# Altium PCB PCB_ESP_Dent.PcbDoc (part 1 of 2) (continued)
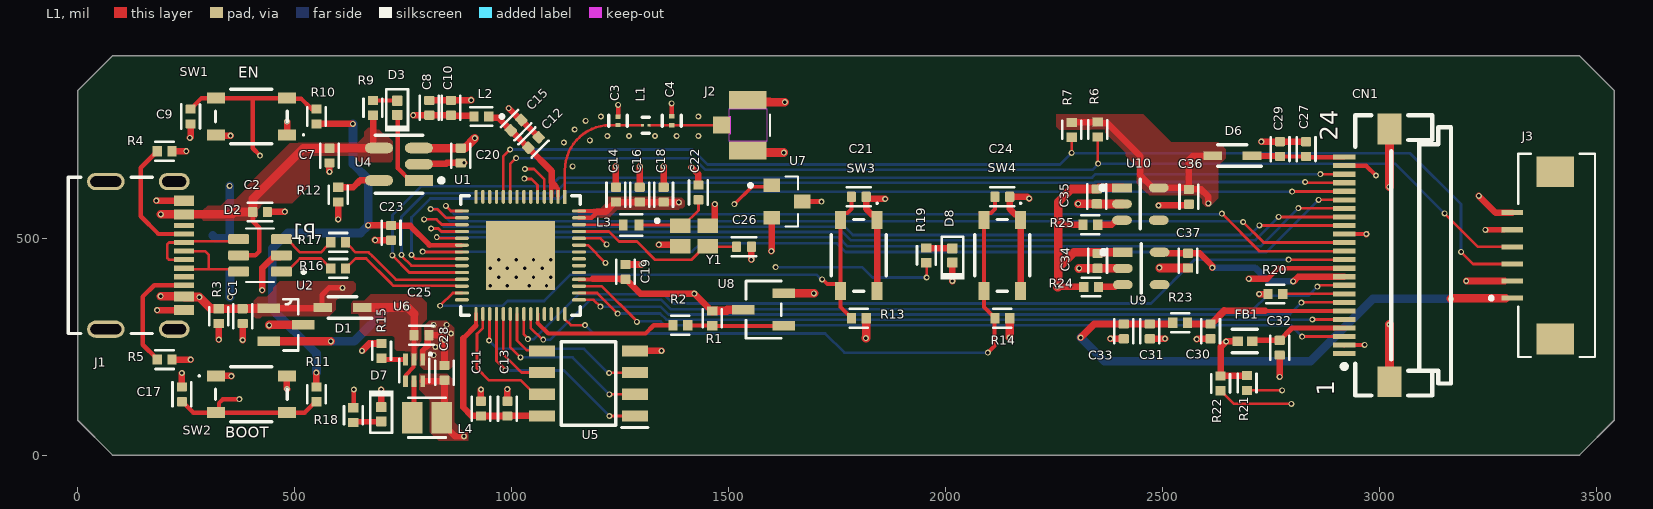
[diagram p0: L1 view]
## Part data (continued)
L1: library part CMP-06042-004543-1, "Film type RF Inductor 2.3nH ±0.1nH 600mA 0.12Ω 0201 (0603)", Case Code (Imperial)=0201, Case Code (Metric)=0603, Current Rating=600mA, DC Resistance (DCR)=120mR, Inductance=2.3nH, LCSC Part No.=C2975186, Max Operating Temperature=125°C, Min Operating Temperature=-55°C, Resistor Type="Thin Film", Self Resonant Frequency=9GHz, Test Frequency=500MHz, Case/Package=0201, Core Material=Non-Magnetic, Mount="Surface Mount", Packaging="Cut Tape", Shielding=Unshielded
L2: "Inductor RF Chip Multi-Layer 2nH 0.3nH 100MHz 8Q-Factor Air 300mA 100mOhm DCR 0402 Paper T/R", Case Code (Imperial)=0402, Case Code (Metric)=1005, Current=300mA, Current Rating=900mA, DC Resistance (DCR)=90mΩ, LCSC Part No.=C18216, Manufacturer=Murata, Manufacturer Lifecycle Status="IN PRODUCTION", Max Operating Temperature=125°C, Min Operating Temperature=-55°C, Self Resonant Frequency=6GHz, Supplier Part Number=490-6569-1-ND, Test Frequency=100MHz, Tolerance=15%, Case/Package=0402, Category="Fixed Inductors", ComponentLink1Description=https://datasheet.octopart.com:443/LQG15HS2N0S02D-Murata-datasheet-11550074.pdf?src-supplier=Upverter, ComponentLink1URL=https://datasheet.octopart.com:443/LQG15HS2N0S02D-Murata-datasheet-11550074.pdf?src-supplier=Upverter, ComponentLink2Description=https://datasheet.octopart.com:443/LQG15HS2N0S02D-Murata-datasheet-501917.pdf?src-supplier=Upverter, ComponentLink2URL=https://datasheet.octopart.com:443/LQG15HS2N0S02D-Murata-datasheet-501917.pdf?src-supplier=Upverter, ComponentLink3Description=https://datasheet.octopart.com:443/LQG15HS2N0S02D-Murata-datasheet-104420594.pdf?src-supplier=element14+APAC, ComponentLink3URL=https://datasheet.octopart.com:443/LQG15HS2N0S02D-Murata-datasheet-104420594.pdf?src-supplier=element14+APAC, ComponentLink4Description=https://datasheet.octopart.com:443/LQG15HS2N0S02D-Murata-datasheet-166148638.pdf?src-supplier=TME, ComponentLink4URL=https://datasheet.octopart.com:443/LQG15HS2N0S02D-Murata-datasheet-166148638.pdf?src-supplier=TME, ComponentLink5Description=https://datasheet.octopart.com:443/LQG15HS2N0S02D-Murata-datasheet-140712221.pdf?src-supplier=Ciiva, ComponentLink5URL=https://datasheet.octopart.com:443/LQG15HS2N0S02D-Murata-datasheet-140712221.pdf?src-supplier=Ciiva, ComponentLink6Description=https://datasheet.octopart.com:443/LQG15HS2N0S02D-Murata-datasheet-138753340.pdf?src-supplier=Ciiva, ComponentLink6URL=https://datasheet.octopart.com:443/LQG15HS2N0S02D-Murata-datasheet-138753340.pdf?src-supplier=Ciiva, ComponentLink7Description=https://datasheet.octopart.com:443/LQG15HS2N0S02D-Murata-datasheet-142295944.pdf?src-supplier=Arrow.cn, ComponentLink7URL=https://datasheet.octopart.com:443/LQG15HS2N0S02D-Murata-datasheet-142295944.pdf?src-supplier=Arrow.cn, ComponentLink8Description=https://datasheet.octopart.com:443/LQG15HS2N0S02D-Murata-datasheet-145449626.pdf?src-supplier=Geoflip, ComponentLink8URL=https://datasheet.octopart.com:443/LQG15HS2N0S02D-Murata-datasheet-145449626.pdf?src-supplier=Geoflip, ComponentLink9Description=https://datasheet.octopart.com/LQG15HS2N0S02D-Murata-datasheet-14395927.pdf, ComponentLink9URL=https://datasheet.octopart.com/LQG15HS2N0S02D-Murata-datasheet-14395927.pdf, ComponentLink10Description=https://datasheet.octopart.com:443/LQG15HS2N0S02D-Murata-datasheet-44660258.pdf?src-supplier=Future+Electronics, ComponentLink10URL=https://datasheet.octopart.com:443/LQG15HS2N0S02D-Murata-datasheet-44660258.pdf?src-supplier=Future+Electronics, ComponentLink11Description=http://sigma.octopart.com:80/reach_statement/Murata-company-16.pdf?src-supplier=Compliance+Statements, ComponentLink11URL=http://sigma.octopart.com:80/reach_statement/Murata-company-16.pdf?src-supplier=Compliance+Statements, Core Material=Air, DC Current=300mA, Depth=550µm, ESR=90mΩ, Height=500µm, Height - Seated (Max)=558.8µm, Lead Free="Contains Lead", Length=1mm, Lifecycle Status=Production, Manufacturer Part Number=LQG15HS2N0S02D, Max Current Rating=900mA, Max DC Current=300mA, Military Standard=Not, Number of Circuits=1, Number of Terminals=2, Pins=2, Pricing="1=0.1, 10=0.036, 100=0.0298, 1000=0.02454, 5000=0.0214 (USD)", Q Factor=8, Radiation Hardening=No, REACH SVHC=Yes, RMS Current (Irms)=900mA, RoHS=Compliant, Schedule B="8504500000, 8504500000|8504500000|8504500000|8504500000|8504500000", Shielding=No, Stock=58770, Supplier=DigiKey, Termination=SMD/SMT, Width=500µm
L3: "FIXED IND 24NH 280MA 0.52OHM SMD", Case/Size Code=0402, DC Resistance (DCR)=520mR, Inductance-Nom (L)=0.024uH, Inductor Application="RF INDUCTOR", Inductor Type="GENERAL PURPOSE INDUCTOR", LCSC Part No.=C341784, Manufacturer=Murata, Manufacturer Part Number=LQW15AN24NJ00D, Max Current Rating=280mA, Max Operating Temperature=125°C, Min Operating Temperature=-55°C, Package Height=0.5mm, Package Length=1mm, Package Style=SMTMeter, Self Resonant Frequency=3.5GHz, Supplier Part Number=490-6791-1-ND, Test Frequency=100MHz, Tolerance=5%, Category="Fixed Inductors", Channels=1, ComponentLink1Description=https://datasheet.ciiva.com:443/pdfs/VipMasterIC/IC/MURE/MURE-S-A0004305562/MURE-S-A0004305562-1.pdf?src-supplier=IHS+Markit, ComponentLink1URL=https://datasheet.ciiva.com:443/pdfs/VipMasterIC/IC/MURE/MURE-S-A0004305562/MURE-S-A0004305562-1.pdf?src-supplier=IHS+Markit, ComponentLink2Description=https://datasheet.ciiva.com/30489/0900766b8125623e-30489009.pdf?src-supplier=Rs, ComponentLink2URL=https://datasheet.ciiva.com/30489/0900766b8125623e-30489009.pdf?src-supplier=Rs, ComponentLink3Description=https://datasheet.ciiva.com/6709/l0075s0080lqw15a-00-6709996.pdf?src-supplier=Digikey, ComponentLink3URL=https://datasheet.ciiva.com/6709/l0075s0080lqw15a-00-6709996.pdf?src-supplier=Digikey, ComponentLink4Description=https://datasheet.ciiva.com/6709/l0075s0080lqw15a-00-6709997.pdf?src-supplier=Digikey, ComponentLink4URL=https://datasheet.ciiva.com/6709/l0075s0080lqw15a-00-6709997.pdf?src-supplier=Digikey, ComponentLink5Description=https://datasheet.ciiva.com/6709/l0075s0080lqw15a-00-6709998.pdf?src-supplier=Digikey, ComponentLink5URL=https://datasheet.ciiva.com/6709/l0075s0080lqw15a-00-6709998.pdf?src-supplier=Digikey, Construction="Wirewound Chip", Core Material=Alumina, JESD-609 Code=e3, Package Width=0.5mm, Packaging="Tape and Reel", Pins=2, Pricing="1=0.1, 10=0.086, 100=0.071, 1000=0.0584, 5000=0.05094 (USD)", Quality Factor-Min (at L-nom)=25, Reach SVHC Compliant=Yes, RoHS=Yes, RoHS Compliant=Yes, Shape/Size Description="RECTANGULAR PACKAGE", Shielding=Unshielded, Stock=37965, Supplier=Digikey, Surface Mount=Yes, Terminal Finish=Nickel, Terminal Placement="Dual Ended", Termination="One Surface"
L4: "1 µH Shielded Drum Core, Wirewound Inductor 3.1 A 70mOhm Max 0806 (2016 Metric)", DC Resistance (DCR)=70mR, Inductor Type="GENERAL PURPOSE INDUCTOR", LCSC Part No.=C882953, Manufacturer=Murata, Manufacturer Part Number=DFE201610P-1R0M=P2, Max Current Rating=2.2A, Max Operating Temperature=125°C, Min Operating Temperature=-40°C, Supplier Part Number=490-10607-1-ND, Test Frequency=1MHz, Tolerance=20%, Category="Fixed Inductors", Channels=1, ComponentLink1Description=https://psearch.en.murata.com:443/inductor/product/DFE201610P-1R0M_.pdf?src-supplier=IHS+Markit, ComponentLink1URL=https://psearch.en.murata.com:443/inductor/product/DFE201610P-1R0M_.pdf?src-supplier=IHS+Markit, ComponentLink2Description=http://www.farnell.com/datasheets/2550117.pdf?src-supplier=Farnell, ComponentLink2URL=http://www.farnell.com/datasheets/2550117.pdf?src-supplier=Farnell, ComponentLink3Description=https://www.murata.com/~/media/webrenewal/products/inductor/chip/tokoproducts/wirewoundmetalalloychiptype/m_dfe201610p.ashx?src-supplier=Digikey, ComponentLink3URL=https://www.murata.com/~/media/webrenewal/products/inductor/chip/tokoproducts/wirewoundmetalalloychiptype/m_dfe201610p.ashx?src-supplier=Digikey, ComponentLink4Description=http://www.murata.com/~/media/webrenewal/products/inductor/chip/tokoproducts/wirewoundmetalalloychiptype/m_dfe201610p.ashx?src-supplier=Digikey, ComponentLink4URL=http://www.murata.com/~/media/webrenewal/products/inductor/chip/tokoproducts/wirewoundmetalalloychiptype/m_dfe201610p.ashx?src-supplier=Digikey, ComponentLink5Description=http://www.toko.co.jp/products/pdf/inductors/dfe201610p.pdf?src-supplier=Avnet, ComponentLink5URL=http://www.toko.co.jp/products/pdf/inductors/dfe201610p.pdf?src-supplier=Avnet, ComponentLink6Description=https://datasheet.octopart.com/DFE201610P-1R0M%3DP2-Murata-datasheet-62290036.pdf?src-supplier=Element14, ComponentLink6URL=https://datasheet.octopart.com/DFE201610P-1R0M%3DP2-Murata-datasheet-62290036.pdf?src-supplier=Element14, Core Material=Metal, Inductance-Nom (L)=1uH, Pins=2, Pricing="1=0.21, 10=0.177, 100=0.1454, 1000=0.11957 (USD)", Reach SVHC Compliant=Yes, RoHS=Yes, RoHS Compliant=Yes, Shape/Size Description="RECTANGULAR PACKAGE", Shielding=Shielded, Stock=1407, Supplier=Digikey, Surface Mount=Yes, Terminal Placement="Dual Ended", Termination=Wraparound
P1: "Header S2B-PH-SM4-TB, 2.00mm, 2-contacts, side entry, SMT, /1000/reel", LCSC Part No.=C295747, Manufacturer=JST, Supplier Part Number=455-S2B-PH-SM4-TBCT-ND, Manufacturer Part Number=S2B-PH-SM4-TB, Pricing="1=0.48, 10=0.409, 100=0.3477, 500=0.31032 (USD)", RoHS=Yes, Stock=12093, Supplier=Digikey
R1 R3: "RES 100K OHM 1% 1/16W 0402", Case/Package=0402, LCSC Part No.=C60491, Manufacturer=Yageo, Manufacturer Part Number=RC0402FR-07100KL, Max Operating Temperature=155°C, Min Operating Temperature=-55°C, Package Height=0.35mm, Package Length=1mm, Package Shape=Rectangular, Package Width=0.5mm, Power=62.5mW, Rated Temperature=70°C, Resistor Type="FIXED RESISTOR", Supplier Part Number=311-100KLRCT-ND, Temperature Coefficient (ppm/Cel)=100, Tolerance=1%, Working Voltage=50V, Additional Feature="LASER TRIMMABLE", Category="Chip SMD Resistors", ComponentLink1Description=https://datasheet.ciiva.com:443/pdfs/VipMasterIC/IC/YAGO/YAGO-S-A0008145938/YAGO-S-A0008145938-1.pdf?src-supplier=IHS+Markit, ComponentLink1URL=https://datasheet.ciiva.com:443/pdfs/VipMasterIC/IC/YAGO/YAGO-S-A0008145938/YAGO-S-A0008145938-1.pdf?src-supplier=IHS+Markit, ComponentLink2Description=https://datasheet.ciiva.com/11819/0900766b80c66297-11819452.pdf?src-supplier=Rs, ComponentLink2URL=https://datasheet.ciiva.com/11819/0900766b80c66297-11819452.pdf?src-supplier=Rs, ComponentLink3Description=https://datasheet.ciiva.com/12667/pyu-rc0402-51-rohs-l-6-r-12667930.pdf?src-supplier=Mouser, ComponentLink3URL=https://datasheet.ciiva.com/12667/pyu-rc0402-51-rohs-l-6-r-12667930.pdf?src-supplier=Mouser, ComponentLink4Description=https://datasheet.ciiva.com/15189/getdatasheetpartid-323696-15189334.pdf?src-supplier=Verical, ComponentLink4URL=https://datasheet.ciiva.com/15189/getdatasheetpartid-323696-15189334.pdf?src-supplier=Verical, ComponentLink5Description=https://datasheet.ciiva.com/22747/1018594-22747509.pdf?src-supplier=Element14, ComponentLink5URL=https://datasheet.ciiva.com/22747/1018594-22747509.pdf?src-supplier=Element14, ComponentLink6Description=https://datasheet.ciiva.com/2453/pyu-r-int-thick-7-2453362.pdf?src-supplier=Digikey, ComponentLink6URL=https://datasheet.ciiva.com/2453/pyu-r-int-thick-7-2453362.pdf?src-supplier=Digikey, ComponentLink7Description=https://datasheet.ciiva.com/2453/pyu-r-int-thick-7-2453363.pdf?src-supplier=Digikey, ComponentLink7URL=https://datasheet.ciiva.com/2453/pyu-r-int-thick-7-2453363.pdf?src-supplier=Digikey, ComponentLink8Description=https://datasheet.ciiva.com/2453/pyu-r-int-thick-7-2453361.pdf?src-supplier=Digikey, ComponentLink8URL=https://datasheet.ciiva.com/2453/pyu-r-int-thick-7-2453361.pdf?src-supplier=Digikey, Construction=Chip, JESD-609 Code=e3, Mounting Technology="Surface Mount", Packaging="Tape and Reel", Pins=2, Pricing="1=0.1, 10=0.011, 25=0.01, 50=0.0092, 100=0.0071, 250=0.00308, 10000=0.00204, 20000=0.002, 30000=0.00196, 50000=0.00182, 70000=0.00181 (USD)", Reach SVHC Compliant=Yes, RoHS=Yes, RoHS Compliant=Yes, Supplier=Digikey, Technology="METAL GLAZE/THICK FILM", Terminal Finish=Nickel, Termination=Wraparound
R2: "Fixed Resistor, Metal Glaze/thick Film, 0.0625W, 100000ohm, 50V, 5% +/-Tol, 100ppm/Cel, Surface Mount, 0402", Case/Package=0402, LCSC Part No.=C106234, Manufacturer=Yageo, Manufacturer Part Number=RC0402JR-07100KL, Max Operating Temperature=155°C, Min Operating Temperature=-55°C, Package Height=0.35mm, Package Length=1mm, Package Shape=Rectangular, Package Width=0.5mm, Power=62.5mW, Rated Temperature=70°C, Resistor Type="FIXED RESISTOR", Supplier Part Number=311-100KJRCT-ND, Temperature Coefficient (ppm/Cel)=100, Tolerance=5%, Working Voltage=50V, Additional Feature="LASER TRIMMABLE", Category="Chip SMD Resistors", ComponentLink1Description=https://datasheet.ciiva.com:443/pdfs/VipMasterIC/IC/YAGO/YAGO-S-A0008145938/YAGO-S-A0008145938-1.pdf?src-supplier=IHS+Markit, ComponentLink1URL=https://datasheet.ciiva.com:443/pdfs/VipMasterIC/IC/YAGO/YAGO-S-A0008145938/YAGO-S-A0008145938-1.pdf?src-supplier=IHS+Markit, ComponentLink2Description=https://datasheet.ciiva.com/12668/pyu-rc0402-51-rohs-l-6-r-12668218.pdf?src-supplier=Mouser, ComponentLink2URL=https://datasheet.ciiva.com/12668/pyu-rc0402-51-rohs-l-6-r-12668218.pdf?src-supplier=Mouser, ComponentLink3Description=https://datasheet.ciiva.com/7850/1018594-7850133.pdf?src-supplier=Element14, ComponentLink3URL=https://datasheet.ciiva.com/7850/1018594-7850133.pdf?src-supplier=Element14, ComponentLink4Description=https://datasheet.ciiva.com/17052/pyu-rc0402-51-rohs-l-6-r-17052137.pdf?src-supplier=Future+Electronics, ComponentLink4URL=https://datasheet.ciiva.com/17052/pyu-rc0402-51-rohs-l-6-r-17052137.pdf?src-supplier=Future+Electronics, ComponentLink5Description=https://datasheet.ciiva.com/46394/1018594-46394941.pdf?src-supplier=Element14, ComponentLink5URL=https://datasheet.ciiva.com/46394/1018594-46394941.pdf?src-supplier=Element14, ComponentLink6Description=https://datasheet.ciiva.com/2491/pyu-r-int-thick-7-2491208.pdf?src-supplier=Digikey, ComponentLink6URL=https://datasheet.ciiva.com/2491/pyu-r-int-thick-7-2491208.pdf?src-supplier=Digikey, ComponentLink7Description=https://datasheet.ciiva.com/2491/pyu-r-int-thick-7-2491209.pdf?src-supplier=Digikey, ComponentLink7URL=https://datasheet.ciiva.com/2491/pyu-r-int-thick-7-2491209.pdf?src-supplier=Digikey, ComponentLink8Description=https://datasheet.ciiva.com/2491/pyu-r-int-thick-7-2491207.pdf?src-supplier=Digikey, ComponentLink8URL=https://datasheet.ciiva.com/2491/pyu-r-int-thick-7-2491207.pdf?src-supplier=Digikey, Construction=Chip, JESD-609 Code=e3, Mounting Technology="Surface Mount", Packaging="Tape and Reel", Pins=2, Pricing="1=0.1, 10=0.006, 25=0.0056, 50=0.005, 100=0.0042, 250=0.00284, 10000=0.00204, 20000=0.00202, 50000=0.00187, 70000=0.00178, 100000=0.00169, 120000=0.00166, 240000=0.00153, 250000=0.00152 (USD)", Reach SVHC Compliant=Yes, RoHS=Yes, RoHS Compliant=Yes, Stock=4938369, Supplier=Digikey, Technology="METAL GLAZE/THICK FILM", Terminal Finish=Nickel, Termination=Wraparound
R4 R5: "Fixed Resistor, Metal Glaze/thick Film, 0.0625W, 5100ohm, 50V, 1% +/-Tol, 100ppm/Cel, Surface Mount, 0402", Case/Package=0402, LCSC Part No.=C3710326, Manufacturer=Yageo, Manufacturer Part Number=RC0402FR-075K1L, Max Operating Temperature=155°C, Min Operating Temperature=-55°C, Package Height=0.35mm, Package Length=1mm, Package Shape=Rectangular, Package Width=0.5mm, Power=62.5mW, Rated Temperature=70°C, Resistor Type="FIXED RESISTOR", Supplier Part Number=311-5.10KLRCT-ND, Temperature Coefficient (ppm/Cel)=100, Tolerance=1%, Working Voltage=50V, Additional Feature="LASER TRIMMABLE", Category="Chip SMD Resistors", ComponentLink1Description=https://datasheet.ciiva.com:443/pdfs/VipMasterIC/IC/YAGO/YAGO-S-A0008145938/YAGO-S-A0008145938-1.pdf?src-supplier=IHS+Markit, ComponentLink1URL=https://datasheet.ciiva.com:443/pdfs/VipMasterIC/IC/YAGO/YAGO-S-A0008145938/YAGO-S-A0008145938-1.pdf?src-supplier=IHS+Markit, Construction=Chip, JESD-609 Code=e3, Mounting Technology="Surface Mount", Packaging="Tape and Reel", Pins=2, Pricing="1=0.1, 10=0.008, 25=0.0072, 50=0.0062, 100=0.0056, 250=0.00308, 1000=0.0051, 2500=0.00408, 10000=0.00204, 20000=0.002, 30000=0.00196, 50000=0.00182, 70000=0.00181 (USD)", Reach SVHC Compliant=Yes, RoHS=Yes, RoHS Compliant=Yes, Stock=654253, Supplier=Digikey, Technology="METAL GLAZE/THICK FILM", Terminal Finish=Nickel, Termination=Wraparound
R6 R7 R21 R22: "RES 4.7K OHM 1% 1/16W 0402", Case/Package=0402, LCSC Part No.=C105871, Manufacturer=Yageo, Manufacturer Part Number=RC0402FR-074K7L, Max Operating Temperature=155°C, Min Operating Temperature=-55°C, Package Height=0.35mm, Package Length=1mm, Package Shape=Rectangular, Package Width=0.5mm, Power=62.5mW, Rated Temperature=70°C, Resistor Type="FIXED RESISTOR", Supplier Part Number=311-4.7KLRCT-ND, Temperature Coefficient (ppm/Cel)=100, Tolerance=1%, Working Voltage=50V, Additional Feature="LASER TRIMMABLE", Category="Chip SMD Resistors", ComponentLink1Description=https://datasheet.ciiva.com:443/pdfs/VipMasterIC/IC/YAGO/YAGO-S-A0008145938/YAGO-S-A0008145938-1.pdf?src-supplier=IHS+Markit, ComponentLink1URL=https://datasheet.ciiva.com:443/pdfs/VipMasterIC/IC/YAGO/YAGO-S-A0008145938/YAGO-S-A0008145938-1.pdf?src-supplier=IHS+Markit, ComponentLink2Description=https://datasheet.ciiva.com/22661/1686128-22661342.pdf?src-supplier=Element14, ComponentLink2URL=https://datasheet.ciiva.com/22661/1686128-22661342.pdf?src-supplier=Element14, ComponentLink3Description=https://datasheet.ciiva.com/7850/1018594-7850022.pdf?src-supplier=Element14, ComponentLink3URL=https://datasheet.ciiva.com/7850/1018594-7850022.pdf?src-supplier=Element14, ComponentLink4Description=https://datasheet.ciiva.com/7850/1018594-7850023.pdf?src-supplier=Element14, ComponentLink4URL=https://datasheet.ciiva.com/7850/1018594-7850023.pdf?src-supplier=Element14, ComponentLink5Description=https://datasheet.ciiva.com/15215/getdatasheetpartid-328119-15215035.pdf?src-supplier=Verical, ComponentLink5URL=https://datasheet.ciiva.com/15215/getdatasheetpartid-328119-15215035.pdf?src-supplier=Verical, Construction=Chip, JESD-609 Code=e3, Mounting Technology="Surface Mount", Packaging="Tape and Reel", Pins=2, Pricing="1=0.1, 10=0.02, 25=0.014, 50=0.0112, 100=0.009, 250=0.00688, 500=0.00566, 1000=0.00474, 2500=0.00381, 5000=0.00328, 10000=0.00286, 20000=0.00253, 30000=0.00237, 50000=0.0022, 70000=0.0021, 100000=0.002, 120000=0.00196, 240000=0.00182, 250000=0.00181 (USD)", Reach SVHC Compliant=Yes, RoHS=Yes, RoHS Compliant=Yes, Stock=643889, Supplier=Digikey, Technology="METAL GLAZE/THICK FILM", Terminal Finish=Nickel, Termination=Wraparound
R9 R18 R19: "RES 1K OHM 1% 1/16W 0402", Case/Package=0402, LCSC Part No.=C106235, Manufacturer=Yageo, Manufacturer Part Number=RC0402FR-071KL, Max Operating Temperature=155°C, Min Operating Temperature=-55°C, Package Height=0.35mm, Package Length=1mm, Package Shape=Rectangular, Package Width=0.5mm, Power=62.5mW, Rated Temperature=70°C, Resistor Type="FIXED RESISTOR", Supplier Part Number=311-1.00KLRCT-ND, Temperature Coefficient (ppm/Cel)=100, Tolerance=1%, Working Voltage=50V, Additional Feature="LASER TRIMMABLE", Category="Chip SMD Resistors", ComponentLink1Description=https://datasheet.ciiva.com:443/pdfs/VipMasterIC/IC/YAGO/YAGO-S-A0008145938/YAGO-S-A0008145938-1.pdf?src-supplier=IHS+Markit, ComponentLink1URL=https://datasheet.ciiva.com:443/pdfs/VipMasterIC/IC/YAGO/YAGO-S-A0008145938/YAGO-S-A0008145938-1.pdf?src-supplier=IHS+Markit, ComponentLink2Description=https://datasheet.ciiva.com/11819/0900766b80c66297-11819477.pdf?src-supplier=Rs, ComponentLink2URL=https://datasheet.ciiva.com/11819/0900766b80c66297-11819477.pdf?src-supplier=Rs, ComponentLink3Description=https://datasheet.ciiva.com/22747/1018594-22747513.pdf?src-supplier=Element14, ComponentLink3URL=https://datasheet.ciiva.com/22747/1018594-22747513.pdf?src-supplier=Element14, ComponentLink4Description=https://datasheet.ciiva.com/12666/pyu-rc0402-51-rohs-l-6-r-12666741.pdf?src-supplier=Mouser, ComponentLink4URL=https://datasheet.ciiva.com/12666/pyu-rc0402-51-rohs-l-6-r-12666741.pdf?src-supplier=Mouser, ComponentLink5Description=https://datasheet.ciiva.com/17063/pyu-rc0402-51-rohs-l-6-r-17063193.pdf?src-supplier=Future+Electronics, ComponentLink5URL=https://datasheet.ciiva.com/17063/pyu-rc0402-51-rohs-l-6-r-17063193.pdf?src-supplier=Future+Electronics, Construction=Chip, JESD-609 Code=e3, Mounting Technology="Surface Mount", Packaging="Tape and Reel", Pins=2, Pricing="1=0.1, 10=0.007, 100=0.0061, 1000=0.0051, 2500=0.00408 (USD)", Reach SVHC Compliant=Yes, RoHS=Yes, RoHS Compliant=Yes, Stock=2395421, Supplier=Digikey, Technology="METAL GLAZE/THICK FILM", Terminal Finish=Nickel, Termination=Wraparound
R10 R11 R13 R14 R20 R23 R24 R25: "Res Thick Film 0402 10K Ohm 5% 0.125W(1/8W) ±200ppm/C Pad SMD T/R", LCSC Part No.=C851859, Manufacturer="Yageo Group", Manufacturer Part Number=RC0402JR-7W10KL, Supplier Part Number=13-RC0402JR-7W10KLCT-ND, Category="Chip SMD Resistors", Pricing="1=0.1, 10=0.008, 25=0.0076, 50=0.0072, 100=0.0061, 250=0.0056, 500=0.0051, 5000=0.00375 (USD)", RoHS=No, Stock=1644, Supplier=Digikey
R12: "RES SMD 2.4K OHM 1% 1/16W 0402", Case/Package=0402, LCSC Part No.=C17345684, Manufacturer=Samsung, Manufacturer Part Number=RC1005F242CS, Max Operating Temperature=125°C, Min Operating Temperature=-55°C, Package Height=0.35mm, Package Length=1mm, Package Shape=Rectangular, Package Width=0.5mm, Power=60mW, Resistor Type="FIXED RESISTOR", Supplier Part Number=1276-4050-1-ND, Temperature Coefficient (ppm/Cel)=100, Tolerance=1%, Working Voltage=50V, Category="Chip SMD Resistors", ComponentLink1Description=https://datasheet.ciiva.com:443/pdfs/VipMasterIC/IC/SEMS/SEMS-S-A0001326806/SEMS-S-A0001326806-1.pdf?src-supplier=IHS+Markit, ComponentLink1URL=https://datasheet.ciiva.com:443/pdfs/VipMasterIC/IC/SEMS/SEMS-S-A0001326806/SEMS-S-A0001326806-1.pdf?src-supplier=IHS+Markit, ComponentLink2Description=https://datasheet.ciiva.com/26184/chip-resistor-150112-1-26184966.pdf?src-supplier=Digikey, ComponentLink2URL=https://datasheet.ciiva.com/26184/chip-resistor-150112-1-26184966.pdf?src-supplier=Digikey, Construction=Chip, JESD-609 Code=e3, Mounting Technology="Surface Mount", Packaging="Tape and Reel", Pins=2, Pricing="1=0.1, 10=0.039 (USD)", Reach SVHC Compliant=Yes, RoHS=Yes, RoHS Compliant=Yes, Stock=32, Supplier=Digikey, Technology="METAL GLAZE/THICK FILM", Terminal Finish=Nickel
R15: "249 kOhms ±1% 0.063W, 1/16W Chip Resistor 0402 (1005 Metric) Moisture Resistant Thick Film", Case/Package=0402, LCSC Part No.=C163476, Manufacturer=Yageo, Manufacturer Part Number=RC0402FR-07249KL, Max Operating Temperature=155°C, Min Operating Temperature=-55°C, Package Height=0.35mm, Package Length=1mm, Package Shape=Rectangular, Package Width=0.5mm, Power=62.5mW, Rated Temperature=70°C, Resistor Type="FIXED RESISTOR", Supplier Part Number=311-249KLRCT-ND, Temperature Coefficient (ppm/Cel)=100, Tolerance=1%, Working Voltage=50V, Additional Feature="LASER TRIMMABLE", Category="Chip SMD Resistors", ComponentLink1Description=https://datasheet.ciiva.com:443/pdfs/VipMasterIC/IC/YAGO/YAGO-S-A0008145938/YAGO-S-A0008145938-1.pdf?src-supplier=IHS+Markit, ComponentLink1URL=https://datasheet.ciiva.com:443/pdfs/VipMasterIC/IC/YAGO/YAGO-S-A0008145938/YAGO-S-A0008145938-1.pdf?src-supplier=IHS+Markit, ComponentLink2Description=https://datasheet.ciiva.com/12656/pyu-rc0402-51-rohs-l-6-r-12656622.pdf?src-supplier=Mouser, ComponentLink2URL=https://datasheet.ciiva.com/12656/pyu-rc0402-51-rohs-l-6-r-12656622.pdf?src-supplier=Mouser, ComponentLink3Description=https://datasheet.ciiva.com/2519/pyu-r-int-thick-7-2519006.pdf?src-supplier=Digikey, ComponentLink3URL=https://datasheet.ciiva.com/2519/pyu-r-int-thick-7-2519006.pdf?src-supplier=Digikey, ComponentLink4Description=https://datasheet.ciiva.com/2519/pyu-r-int-thick-7-2519007.pdf?src-supplier=Digikey, ComponentLink4URL=https://datasheet.ciiva.com/2519/pyu-r-int-thick-7-2519007.pdf?src-supplier=Digikey, ComponentLink5Description=https://datasheet.ciiva.com/2519/pyu-r-int-thick-7-2519008.pdf?src-supplier=Digikey, ComponentLink5URL=https://datasheet.ciiva.com/2519/pyu-r-int-thick-7-2519008.pdf?src-supplier=Digikey, ComponentLink6Description=https://datasheet.ciiva.com/17071/pyu-rc0402-51-rohs-l-6-r-17071292.pdf?src-supplier=Future+Electronics, ComponentLink6URL=https://datasheet.ciiva.com/17071/pyu-rc0402-51-rohs-l-6-r-17071292.pdf?src-supplier=Future+Electronics, ComponentLink7Description=https://datasheet.ciiva.com/8886/pyu-rc0402-51-rohs-l-6-8886568.pdf?src-supplier=Avnet, ComponentLink7URL=https://datasheet.ciiva.com/8886/pyu-rc0402-51-rohs-l-6-8886568.pdf?src-supplier=Avnet, Construction=Chip, JESD-609 Code=e3, Mounting Technology="Surface Mount", Packaging="Tape and Reel", Pins=2, Pricing="1=0.1, 10=0.008, 25=0.006, 50=0.004, 100=0.0033 (USD)", Reach SVHC Compliant=Yes, RoHS=Yes, RoHS Compliant=Yes, Stock=71596, Supplier=Digikey, Technology="METAL GLAZE/THICK FILM", Terminal Finish=Nickel, Termination=Wraparound
R16 R17: "RES 22 OHM 5% 1/8W 0402", Case/Package=0402, LCSC Part No.=C6117700, Manufacturer="Yageo Group", Manufacturer Part Number=AC0402JR-7W22RL, Max Operating Temperature=155°C, Min Operating Temperature=-55°C, Power Dissipation=125mW, Supplier Part Number=13-AC0402JR-7W22RLCT-ND, Temperature Coefficient=100ppm/°C, Tolerance=5%, Voltage Rating=50V, Working Voltage=75V, Category="Chip SMD Resistors", China RoHS=Non-Compliant, ComponentLink1Description=https://datasheet.octopart.com:443/AC0402JR-7W22RL-Yageo-datasheet-182189377.pdf?src-supplier=IHS, ComponentLink1URL=https://datasheet.octopart.com:443/AC0402JR-7W22RL-Yageo-datasheet-182189377.pdf?src-supplier=IHS, ComponentLink2Description=https://datasheet.octopart.com:443/AC0402JR-7W22RL-Yageo-datasheet-83209224.pdf?src-supplier=Upverter, ComponentLink2URL=https://datasheet.octopart.com:443/AC0402JR-7W22RL-Yageo-datasheet-83209224.pdf?src-supplier=Upverter, ComponentLink3Description=https://datasheet.octopart.com:443/AC0402JR-7W22RL-Yageo-datasheet-178509465.pdf?src-supplier=Farnell, ComponentLink3URL=https://datasheet.octopart.com:443/AC0402JR-7W22RL-Yageo-datasheet-178509465.pdf?src-supplier=Farnell, ComponentLink4Description=https://datasheet.octopart.com:443/AC0402JR-7W22RL-Yageo-Group-datasheet-164768995.pdf?src-supplier=ODG+(Origin+Data+Global), ComponentLink4URL=https://datasheet.octopart.com:443/AC0402JR-7W22RL-Yageo-Group-datasheet-164768995.pdf?src-supplier=ODG+(Origin+Data+Global), ComponentLink5Description=https://datasheet.octopart.com/AC0402JR-7W22RL-Yageo-datasheet-12512238.pdf, ComponentLink5URL=https://datasheet.octopart.com/AC0402JR-7W22RL-Yageo-datasheet-12512238.pdf, ComponentLink6Description=http://sigma.octopart.com:80/rohs_statement/Yageo-company-2.pdf?src-supplier=Compliance+Statements, ComponentLink6URL=http://sigma.octopart.com:80/rohs_statement/Yageo-company-2.pdf?src-supplier=Compliance+Statements, ComponentLink7Description=http://sigma.octopart.com:80/conflict_mineral_statement/Yageo-company-3.pdf?src-supplier=Compliance+Statements, ComponentLink7URL=http://sigma.octopart.com:80/conflict_mineral_statement/Yageo-company-3.pdf?src-supplier=Compliance+Statements, Composition="Thick Film", Height=320µm, Lifecycle Status=Production, Mounting Technology="Surface Mount", Number of Terminals=2, Packaging="Tape & Reel", Power Rating=125mW, Pricing="1=0.15, 10=0.014, 25=0.0124, 50=0.0102, 100=0.0092, 250=0.00724, 1000=0.00609, 5000=0.00431 (USD)", REACH SVHC=Yes, RoHS=Compliant, Stock=1738, Supplier=DigiKey, Width=500µm
SW1 SW2 SW3 SW4: "Tactile Switch SPST-NO Top Actuated Surface Mount", Color=Natural, Contact Resistance=500mΩ, Insulation Resistance=100MΩ, LCSC Part No.=C470426, Manufacturer=ALPS, Max Current Rating=50mA, Max Operating Temperature=85°C, Max Voltage Rating (DC)=16V, Min Operating Temperature=-30°C, Operating Force=1.57N, Supplier Part Number=4809-SKRPANE010CT-ND, Category="Tactile Switches", ComponentLink1Description=https://datasheet.octopart.com:443/SKRPANE010-ALPS-datasheet-182235269.pdf?src-supplier=IHS, ComponentLink1URL=https://datasheet.octopart.com:443/SKRPANE010-ALPS-datasheet-182235269.pdf?src-supplier=IHS, ComponentLink2Description=https://datasheet.octopart.com:443/SKRPANE010-ALPS-datasheet-103684837.pdf?src-supplier=Electro+Sonic, ComponentLink2URL=https://datasheet.octopart.com:443/SKRPANE010-ALPS-datasheet-103684837.pdf?src-supplier=Electro+Sonic, Electrical Life=1Mcycles, Height=1.6mm, Length=4.2mm, Lifecycle Status=Production, Manufacturer Part Number=SKRPANE010, Number of Positions=1, Pricing="1=0.27, 10=0.238, 25=0.2232, 50=0.2114, 100=0.2, 250=0.1854, 500=0.17496, 1000=0.16517 (USD)", RoHS=Compliant, Stock=7681, Supplier=DigiKey, Throw Configuration=SPST
U1: "IC RF TXRX+MCU BLE 56QFN", LCSC Part No.=C2913194, Manufacturer="Espressif Systems", Supplier Part Number=1904-ESP32-S3R8CT-ND, Category="RF Receivers, Transceivers", ComponentLink1Description=https://datasheet.octopart.com/ESP32-S3R8-Espressif-Systems-datasheet-188867343.pdf?src-supplier=TME, ComponentLink1URL=https://datasheet.octopart.com/ESP32-S3R8-Espressif-Systems-datasheet-188867343.pdf?src-supplier=TME, Manufacturer Part Number=ESP32-S3R8, Pricing="1=2.3, 2000=2.28001 (USD)", RoHS=No, Stock=792, Supplier=Digikey
U2: "P-Channel 20 V 4A (Ta) 900mW (Ta) Surface Mount SOT-23-3", Drain Current-Max (Abs) (ID)=4A, Drain-source On Resistance-Max=42.5mR, DS Breakdown Voltage-Min=20V, LCSC Part No.=C96616, Manufacturer=Diodes, Max Operating Temperature=150°C, Operating Mode="ENHANCEMENT MODE", Package Body Material=Plastic, Package Shape=Rectangular, Package Style="SMALL OUTLINEMeter", Peak Reflow Temperature (Cel)=260°C, Power Dissipation-Max (Abs)=900mW, Supplier Part Number=DMG3415UDICT-ND, Time @ Peak Reflow Temperature-Max (s)=40s, Additional Feature="HIGH RELIABILITY", Category=MOSFETs, ComponentLink1Description=https://datasheet.ciiva.com:443/pdfs/VipMasterIC/IC/DIOD/DIOD-S-A0004428614/DIOD-S-A0004428614-1.pdf?src-supplier=IHS+Markit, ComponentLink1URL=https://datasheet.ciiva.com:443/pdfs/VipMasterIC/IC/DIOD/DIOD-S-A0004428614/DIOD-S-A0004428614-1.pdf?src-supplier=IHS+Markit, ComponentLink2Description=https://datasheet.ciiva.com/11174/ds31735-11174977.pdf?src-supplier=Avnet, ComponentLink2URL=https://datasheet.ciiva.com/11174/ds31735-11174977.pdf?src-supplier=Avnet, ComponentLink3Description=https://datasheet.ciiva.com/13061/ds31735-64958-13061831.pdf?src-supplier=Mouser, ComponentLink3URL=https://datasheet.ciiva.com/13061/ds31735-64958-13061831.pdf?src-supplier=Mouser, ComponentLink4Description=https://datasheet.ciiva.com/935/ds31735-935013.pdf?src-supplier=Digikey, ComponentLink4URL=https://datasheet.ciiva.com/935/ds31735-935013.pdf?src-supplier=Digikey, ComponentLink5Description=https://datasheet.ciiva.com/935/ds31735-935014.pdf?src-supplier=Digikey, ComponentLink5URL=https://datasheet.ciiva.com/935/ds31735-935014.pdf?src-supplier=Digikey, ComponentLink6Description=https://datasheet.ciiva.com/935/ds31735-935015.pdf?src-supplier=Digikey, ComponentLink6URL=https://datasheet.ciiva.com/935/ds31735-935015.pdf?src-supplier=Digikey, ComponentLink7Description=https://datasheet.ciiva.com/8115/ds31735-8115357.pdf?src-supplier=Avnet, ComponentLink7URL=https://datasheet.ciiva.com/8115/ds31735-8115357.pdf?src-supplier=Avnet, ComponentLink8Description=https://datasheet.ciiva.com/8023/ds31735-8023980.pdf?src-supplier=Element14, ComponentLink8URL=https://datasheet.ciiva.com/8023/ds31735-8023980.pdf?src-supplier=Element14, ComponentLink9Description=https://datasheet.ciiva.com/22712/1915618-22712394.pdf?src-supplier=Element14, ComponentLink9URL=https://datasheet.ciiva.com/22712/1915618-22712394.pdf?src-supplier=Element14, ComponentLink10Description=https://datasheet.ciiva.com/16387/ds31735-16387485.pdf?src-supplier=Future+Electronics, ComponentLink10URL=https://datasheet.ciiva.com/16387/ds31735-16387485.pdf?src-supplier=Future+Electronics, Drain Current-Max (ID)=4A, FET Technology="METAL-OXIDE SEMICONDUCTOR", JESD-30 Code=R-PDSO-G3, JESD-609 Code=e3, Manufacturer Part Number=DMG3415U-7, Moisture Sensitivity Level=1, Number of Elements=1, Pins=3, Polarity/Channel Type=P-CHANNEL, Pricing="1=0.45, 10=0.277, 100=0.1743, 500=0.13838 (USD)", Qualification Status="Not Qualified", Reach SVHC Compliant=Yes, RoHS=Yes, RoHS Compliant=Yes, Stock=10798, Supplier=Digikey, Surface Mount=Yes, Terminal Finish=Tin, Terminal Form="Gull Wing", Terminal Position=DUAL, Transistor Application=SWITCHING, Transistor Element Material=SILICON
U4: "IC BATT CNTL LI-ION 1CEL SOT23-5", Case/Package=LSSOP, LCSC Part No.=C42432883, Manufacturer=Microchip, Max Operating Temperature=85°C, Max Supply Voltage=6V, Min Operating Temperature=-40°C, Min Supply Voltage=3.75V, Nominal Supply Voltage=5.2V, Package Body Material=Plastic, Package Equivalence Code=TSOP5/6,.11,37, Package Shape=Rectangular, Package Style="SMALL OUTLINE, LOW PROFILE, SHRINK PITCHMeter", Peak Reflow Temperature (Cel)=260°C, Power Supplies=3.3/5V, Supplier Part Number=MCP73831T-2ACI/OTCT-ND, Supply Current-Max (Isup)=1.5mA, Temperature Grade=INDUSTRIAL, Time @ Peak Reflow Temperature-Max (s)=40s, Adjustable Threshold=Yes, Category="Battery Management", Channels=1, ComponentLink1Description=https://datasheet.ciiva.com:443/pdfs/VipMasterIC/IC/MCHP/MCHPS05673/MCHPS05673-1.pdf?src-supplier=IHS+Markit, ComponentLink1URL=https://datasheet.ciiva.com:443/pdfs/VipMasterIC/IC/MCHP/MCHPS05673/MCHPS05673-1.pdf?src-supplier=IHS+Markit, ComponentLink2Description=https://datasheet.ciiva.com/22828/0900766b80d2b53a-22828876.pdf?src-supplier=Rs, ComponentLink2URL=https://datasheet.ciiva.com/22828/0900766b80d2b53a-22828876.pdf?src-supplier=Rs, ComponentLink3Description=https://datasheet.ciiva.com/1137/630369-1137803.pdf?src-supplier=Element14, ComponentLink3URL=https://datasheet.ciiva.com/1137/630369-1137803.pdf?src-supplier=Element14, ComponentLink4Description=https://datasheet.ciiva.com/46385/630369-46385324.pdf?src-supplier=Element14, ComponentLink4URL=https://datasheet.ciiva.com/46385/630369-46385324.pdf?src-supplier=Element14, ComponentLink5Description=https://datasheet.ciiva.com/16286/filehandler-aspxddocname-en025112-16286957.pdf?src-supplier=Future+Electronics, ComponentLink5URL=https://datasheet.ciiva.com/16286/filehandler-aspxddocname-en025112-16286957.pdf?src-supplier=Future+Electronics, ComponentLink6Description=https://datasheet.ciiva.com/1931/21984e-1931954.pdf?src-supplier=Digikey, ComponentLink6URL=https://datasheet.ciiva.com/1931/21984e-1931954.pdf?src-supplier=Digikey, ComponentLink7Description=https://datasheet.ciiva.com/1931/21984e-1931955.pdf?src-supplier=Digikey, ComponentLink7URL=https://datasheet.ciiva.com/1931/21984e-1931955.pdf?src-supplier=Digikey, ComponentLink8Description=https://datasheet.ciiva.com/1931/21984e-1931953.pdf?src-supplier=Digikey, ComponentLink8URL=https://datasheet.ciiva.com/1931/21984e-1931953.pdf?src-supplier=Digikey, Height - Seated (Max)=1.45mm, JESD-30 Code=R-PDSO-G5, JESD-609 Code=e3, Length=2.95mm, Manufacturer Part Number=MCP73831T-2ACI/OT, Moisture Sensitivity Level=1, Number of Channels=1, Pins=5, Pricing="1=0.76, 25=0.63, 100=0.6125, 3000=0.5831 (USD)", Qualification Status="Not Qualified", Reach SVHC Compliant=Yes, RoHS=Yes, RoHS Compliant=Yes, Stock=33354, Supplier=Digikey, Surface Mount=Yes, Terminal Finish=Tin, Terminal Form="Gull Wing", Terminal Pitch=0.95mm, Terminal Position=DUAL, Throw Configuration="POWER SUPPLY SUPPORT CIRCUIT", Width=1.65mm
U5: library part GD25Q64ETIGR, "2.7V~3.6V -40℃~85℃ 64MBIT 133MHZ SOP-8-150MIL Nor Flash Rohs", LCSC Part No.=C2976334, Manufacturer=GigaDevice, Max Operating Temperature=85°C, Max Supply Current=25mA, Max Supply Voltage=3.6V, Min Operating Temperature=-40°C, Min Supply Voltage=3V, Operating Supply Voltage=3.3V, Supplier Part Number=1970-GD25Q64ETIGRCT-ND, Category=Flash, Clock Rate=133MHz, ComponentLink1Description=https://datasheet.octopart.com:443/GD25Q64ETIGR-GigaDevice-datasheet-182344543.pdf?src-supplier=IHS, ComponentLink1URL=https://datasheet.octopart.com:443/GD25Q64ETIGR-GigaDevice-datasheet-182344543.pdf?src-supplier=IHS, Height - Seated (Max)=1.75mm, Interface=Serial, Length=4.9mm, Manufacturer Part Number=GD25Q64ETIGR, Memory Format=FLASH, Number of Circuits=1, Number of Terminals=8, Pricing="1=1.05, 10=0.985, 25=0.958, 50=0.9372, 100=0.9161, 250=0.8882, 500=0.8671, 1000=0.8461 (USD)", RoHS=Compliant, Stock=3294, Supplier=DigiKey, Terminal Pitch=1.27mm, Width=3.9mm
U6: library part TPS628438DRLR, "Buck Switching Regulator IC Positive Programmable 1.8V 1 Output 600mA SOT-563, SOT-666", LCSC Part No.=C38060243, Manufacturer="Texas Instruments", Supplier Part Number=296-TPS628438DRLRCT-ND, Category=LDO, Manufacturer Part Number=TPS628438DRLR, Pricing="1=1.55, 10=1.13, 25=1.026, 100=0.9116, 250=0.857, 500=0.82408, 1000=0.79698 (USD)", RoHS=No, Stock=2001, Supplier=Digikey
U7: "MOSFET N-CH 30V 5A MICRO3/SOT23", Case/Package=SOT-23, Continuous Drain Current (ID)=5A, Drain to Source Breakdown Voltage=30V, Drain to Source Resistance=29mΩ, Gate to Source Voltage (Vgs)=12V, Input Capacitance=650pF, LCSC Part No.=C53550, Manufacturer=Infineon, Manufacturer Package Identifier=Micro3, Max Junction Temperature (Tj)=150°C, Max Power Dissipation=1.3W, Min Operating Temperature=-55°C, Package Quantity=3000, Supplier Part Number=IRLML6344TRPBFCT-ND, Threshold Voltage=800mV, Category=MOSFETs, ComponentLink1Description=https://datasheet.octopart.com:443/IRLML6344TRPBF-Infineon-datasheet-166549069.pdf?src-supplier=IHS, ComponentLink1URL=https://datasheet.octopart.com:443/IRLML6344TRPBF-Infineon-datasheet-166549069.pdf?src-supplier=IHS, ComponentLink2Description=https://datasheet.octopart.com:443/IRLML6344TRPBF-Infineon-datasheet-41230536.pdf?src-supplier=element14+APAC, ComponentLink2URL=https://datasheet.octopart.com:443/IRLML6344TRPBF-Infineon-datasheet-41230536.pdf?src-supplier=element14+APAC, ComponentLink3Description=https://datasheet.octopart.com:443/IRLML6344TRPBF-Infineon-datasheet-10031181.pdf?src-supplier=Farnell, ComponentLink3URL=https://datasheet.octopart.com:443/IRLML6344TRPBF-Infineon-datasheet-10031181.pdf?src-supplier=Farnell, ComponentLink4Description=https://sigma.octopart.com:443/138896058/technical_drawing/Infineon-IRLML6344TRPBF.pdf?src-supplier=Upverter, ComponentLink4URL=https://sigma.octopart.com:443/138896058/technical_drawing/Infineon-IRLML6344TRPBF.pdf?src-supplier=Upverter, ComponentLink5Description=https://datasheet.octopart.com:443/IRLML6344TRPBF-International-Rectifier-datasheet-14062076.pdf?src-supplier=iiiC, ComponentLink5URL=https://datasheet.octopart.com:443/IRLML6344TRPBF-International-Rectifier-datasheet-14062076.pdf?src-supplier=iiiC, ComponentLink6Description=http://sigma.octopart.com:80/conflict_mineral_statement/Infineon-company-51.pdf?src-supplier=Compliance+Statements, ComponentLink6URL=http://sigma.octopart.com:80/conflict_mineral_statement/Infineon-company-51.pdf?src-supplier=Compliance+Statements, ComponentLink7Description=http://sigma.octopart.com:80/rohs_statement/International-Rectifier-company-54.pdf?src-supplier=Compliance+Statements, ComponentLink7URL=http://sigma.octopart.com:80/rohs_statement/International-Rectifier-company-54.pdf?src-supplier=Compliance+Statements, ComponentLink8Description=http://sigma.octopart.com:80/reach_statement/International-Rectifier-company-55.pdf?src-supplier=Compliance+Statements, ComponentLink8URL=http://sigma.octopart.com:80/reach_statement/International-Rectifier-company-55.pdf?src-supplier=Compliance+Statements, Drain to Source Voltage (Vdss)=30V, Element Configuration=Single, Fall Time=9.1ns, Height=1.12mm, Lead Free="Lead Free", Length=3.04mm, Lifecycle Status=Production, Manufacturer Part Number=IRLML6344TRPBF, Max Operating Temperature=150°C, Min Breakdown Voltage=30V, Mounting Technology="Surface Mount", Nominal Vgs=800mV, Number of Channels=1, Number of Elements=1, Number of Terminals=3, On-State Resistance=29mΩ, Packaging="Tape & Reel", Pins=3, Power Dissipation=1.3W, Pricing="1=0.38, 10=0.249, 100=0.1612, 500=0.1424, 1000=0.12703 (USD)", Radiation Hardening=No, Rds On Max=29mΩ, REACH SVHC=Yes, Recovery Time=15ns, Rise Time=5.6ns, RoHS=Compliant, Schedule B="8541290080, 8541290080|8541290080|8541290080|8541290080|8541290080", Stock=89780, Supplier=DigiKey, Turn-Off Delay Time=22ns, Turn-On Delay Time=4.2ns, Width=1.4mm
U8: "30V 4.3A 48mΩ@10V 2.5V@250uA 1 P-Channel SOT-23 MOSFETs ROHS", Drain Current-Max (Abs) (ID)=4.3A, Drain-source On Resistance-Max=48mR, DS Breakdown Voltage-Min=30V, LCSC Part No.=C15155, Manufacturer="Alpha & Omega Semiconductor", Max Operating Temperature=150°C, Operating Mode="ENHANCEMENT MODE", Package Body Material=Plastic, Package Shape=Rectangular, Package Style="SMALL OUTLINEMeter", Power Dissipation-Max (Abs)=1.4W, Supplier Part Number=785-1006-1-ND, Category=MOSFETs, ComponentLink1Description=https://datasheet.ciiva.com:443/pdfs/VipMasterIC/IC/ALOM/ALOMS01464/ALOMS01464-1.pdf?src-supplier=IHS+Markit, ComponentLink1URL=https://datasheet.ciiva.com:443/pdfs/VipMasterIC/IC/ALOM/ALOMS01464/ALOMS01464-1.pdf?src-supplier=IHS+Markit, ComponentLink2Description=https://datasheet.ciiva.com/940/ao3407a-940745.pdf?src-supplier=Digikey, ComponentLink2URL=https://datasheet.ciiva.com/940/ao3407a-940745.pdf?src-supplier=Digikey, ComponentLink3Description=https://datasheet.ciiva.com/940/ao3407a-940747.pdf?src-supplier=Digikey, ComponentLink3URL=https://datasheet.ciiva.com/940/ao3407a-940747.pdf?src-supplier=Digikey, ComponentLink4Description=https://datasheet.ciiva.com/18057/getdatasheetpartid-64436-18057110.pdf?src-supplier=Verical, ComponentLink4URL=https://datasheet.ciiva.com/18057/getdatasheetpartid-64436-18057110.pdf?src-supplier=Verical, Drain Current-Max (ID)=4.3A, Feedback Cap-Max (Crss)=90pF, FET Technology="METAL-OXIDE SEMICONDUCTOR", JESD-30 Code=R-PDSO-G3, JESD-609 Code=e3, Manufacturer Part Number=AO3407A, Moisture Sensitivity Level=1, Number of Elements=1, Pins=3, Polarity/Channel Type=P-CHANNEL, Pricing="1=0.46, 10=0.282, 100=0.1787, 500=0.1337, 1000=0.11915 (USD)", Qualification Status="Not Qualified", Reach SVHC Compliant=Yes, RoHS=Yes, RoHS Compliant=Yes, Stock=661270, Supplier=Digikey, Surface Mount=Yes, Terminal Finish=Tin, Terminal Form="Gull Wing", Terminal Position=DUAL, Transistor Application=SWITCHING, Transistor Element Material=SILICON
U9: "IC REG LINEAR 1.8V 300MA SOT23-5", Dropout Voltage=160mV, LCSC Part No.=C30197546, Manufacturer=Microchip, Max Junction Temp=+125°C, Max Supply Voltage=5.5V, Min Supply Voltage=2.5V, Nominal Supply Current=38-42uA, Output Current=300mA, Output Voltage=1.8V, Package=SOT23-5LD-PL-1, Temperature="-40°C to +125°C", Temperature Range Low=-40°C, Accuracy Percentage=2%, Automotive=No, Category=IC, ComponentLink2Description=Datasheet, ComponentLink2URL=http://ww1.microchip.com/downloads/en/DeviceDoc/MIC5501-02-03-04-300mA-Single-Output-LDO-in-Small-Packages-DS20006006B.pdf, Device Class L1="Integrated Circuits (ICs)", Device Class L2="Power Management ICs", Device Class L3="Voltage Regulators - Linear", Digikey Description="IC REG LINEAR 1.8V 300MA SOT23-5", Height=1.45mm, Lead Free=Yes, Manufacturer Part Number=MIC5504-1.8YM5-TR, Number of Outputs=1, Octopart=https://octopart.com/mic5504-1.8ym5-tr-microchip-66803399, Output Type=Fixed, RoHS=TRUE, Standoff Height=0mm, Temperature Range High=+125°C
U10: "IC REG LINEAR 2.8V 300MA SOT23-5", Case/Package=SOT-23-5, Dropout Voltage=160mV, LCSC Part No.=C95749, Max Input Voltage=5.5V, Max Operating Temperature=125°C, Min Current Limit=400mA, Min Input Voltage=2.5V, Min Operating Temperature=-40°C, Nominal Output Voltage=2.8V, Output Current=300mA, Mount="Surface Mount", Number of Pins=5, Number of Regulators=1, Output Type=Fixed, Output Voltage=2.8V, Packaging="Cut Tape", REACH SVHC="No SVHC"